# Altium PCB S6D01D4NucleoExtensionBoard.PcbDoc
Units mm, origin at the board's own origin, x right, y up, seen from the top; angles counter-clockwise.
Board outline 100 x 100 mm, 2 copper layers (Top Layer, Bottom Layer), stack 1.671 mm thick; 93 components, 88 nets, 440 pads, 61 vias.
Unrouted connection lines stored in the file: 78.
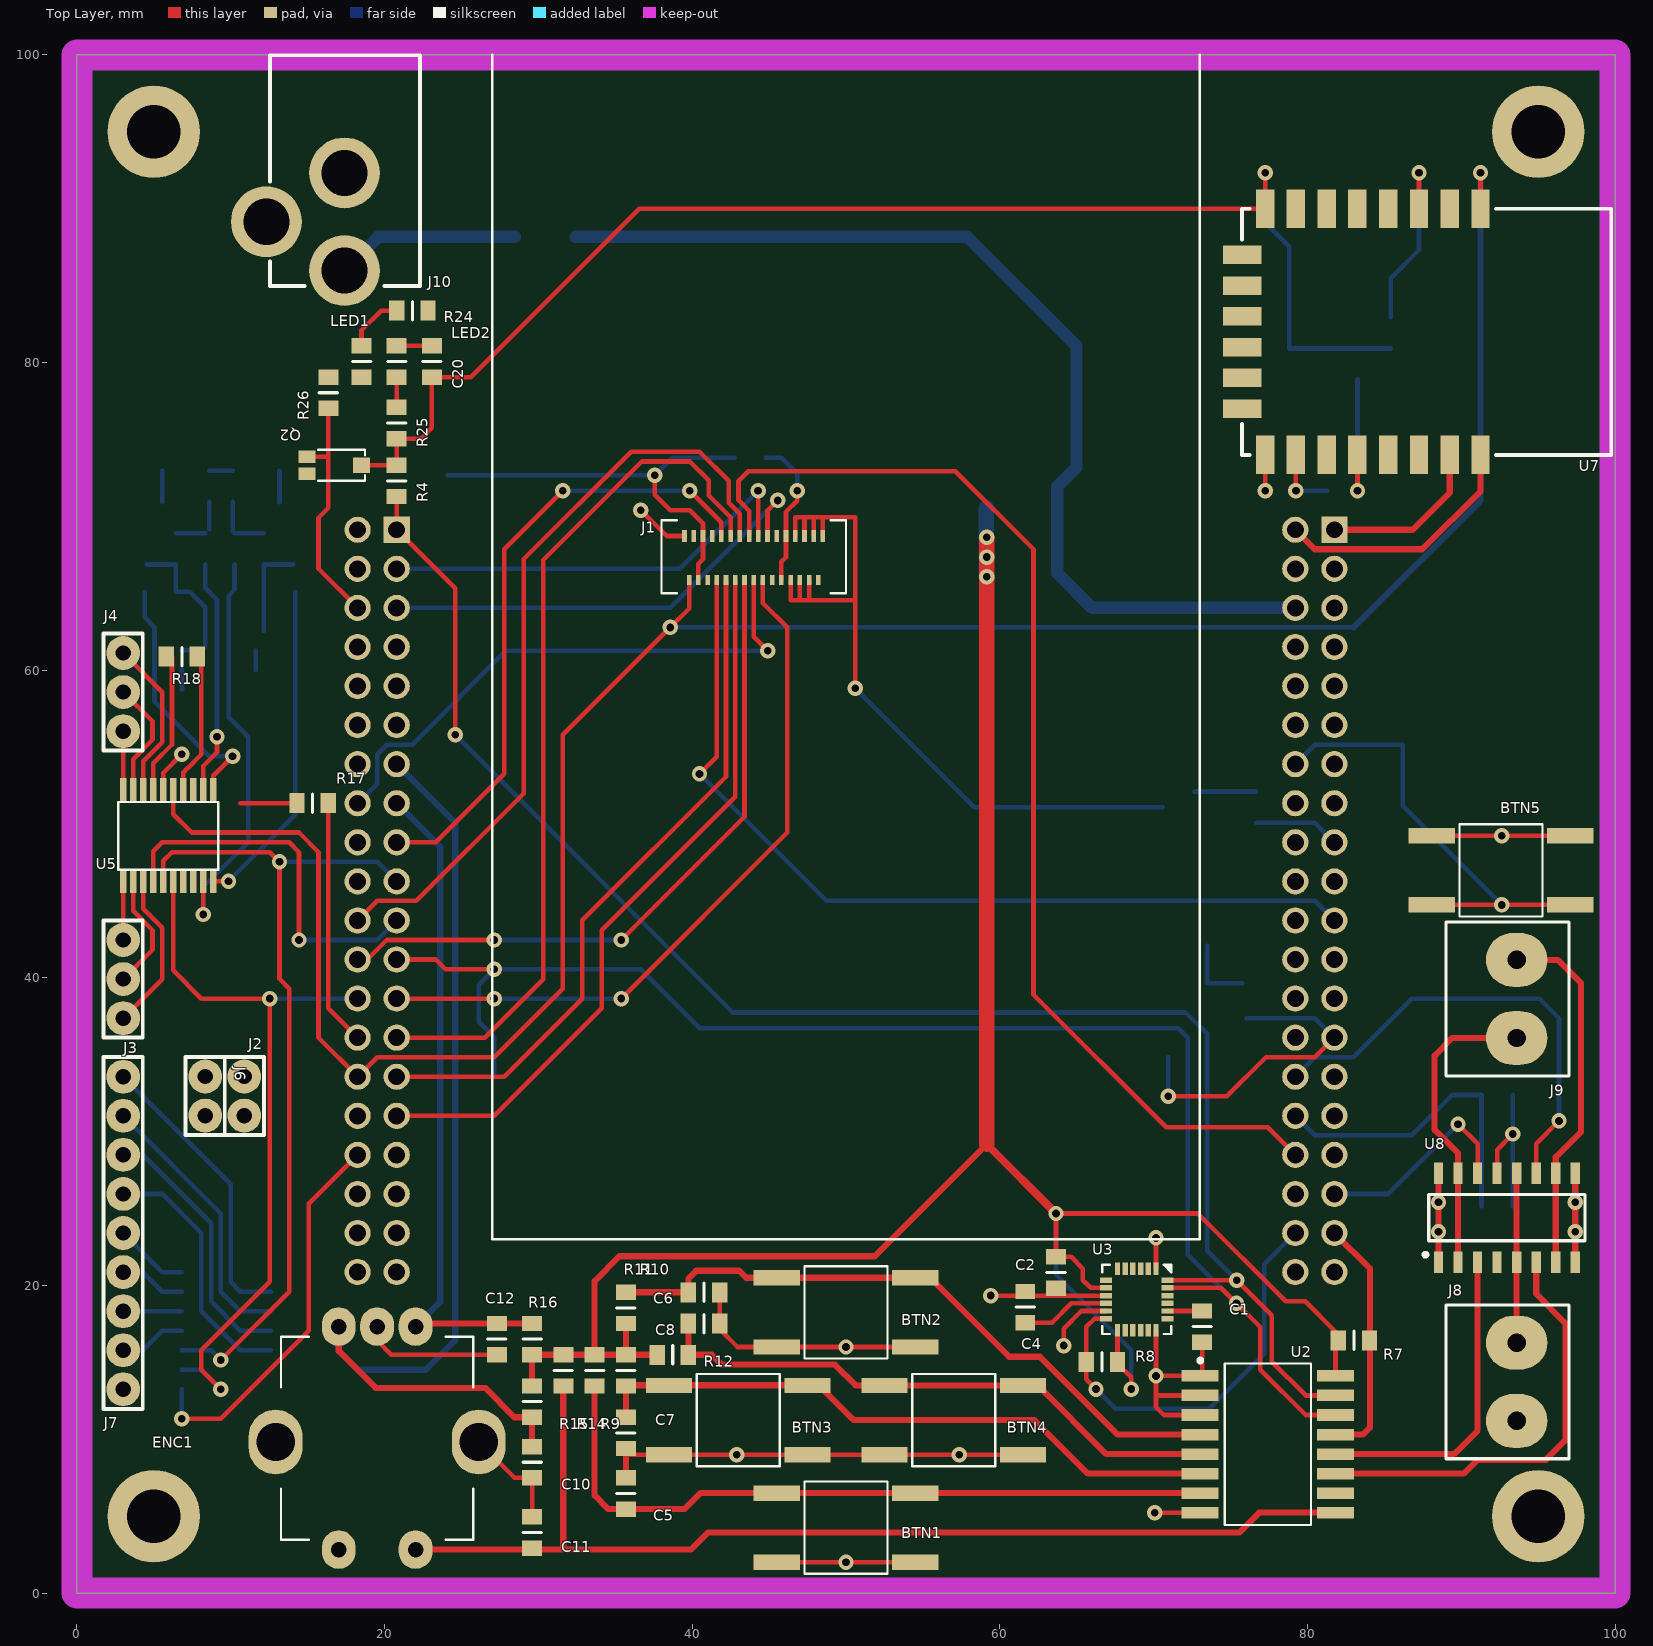
[diagram p0: Top Layer view]
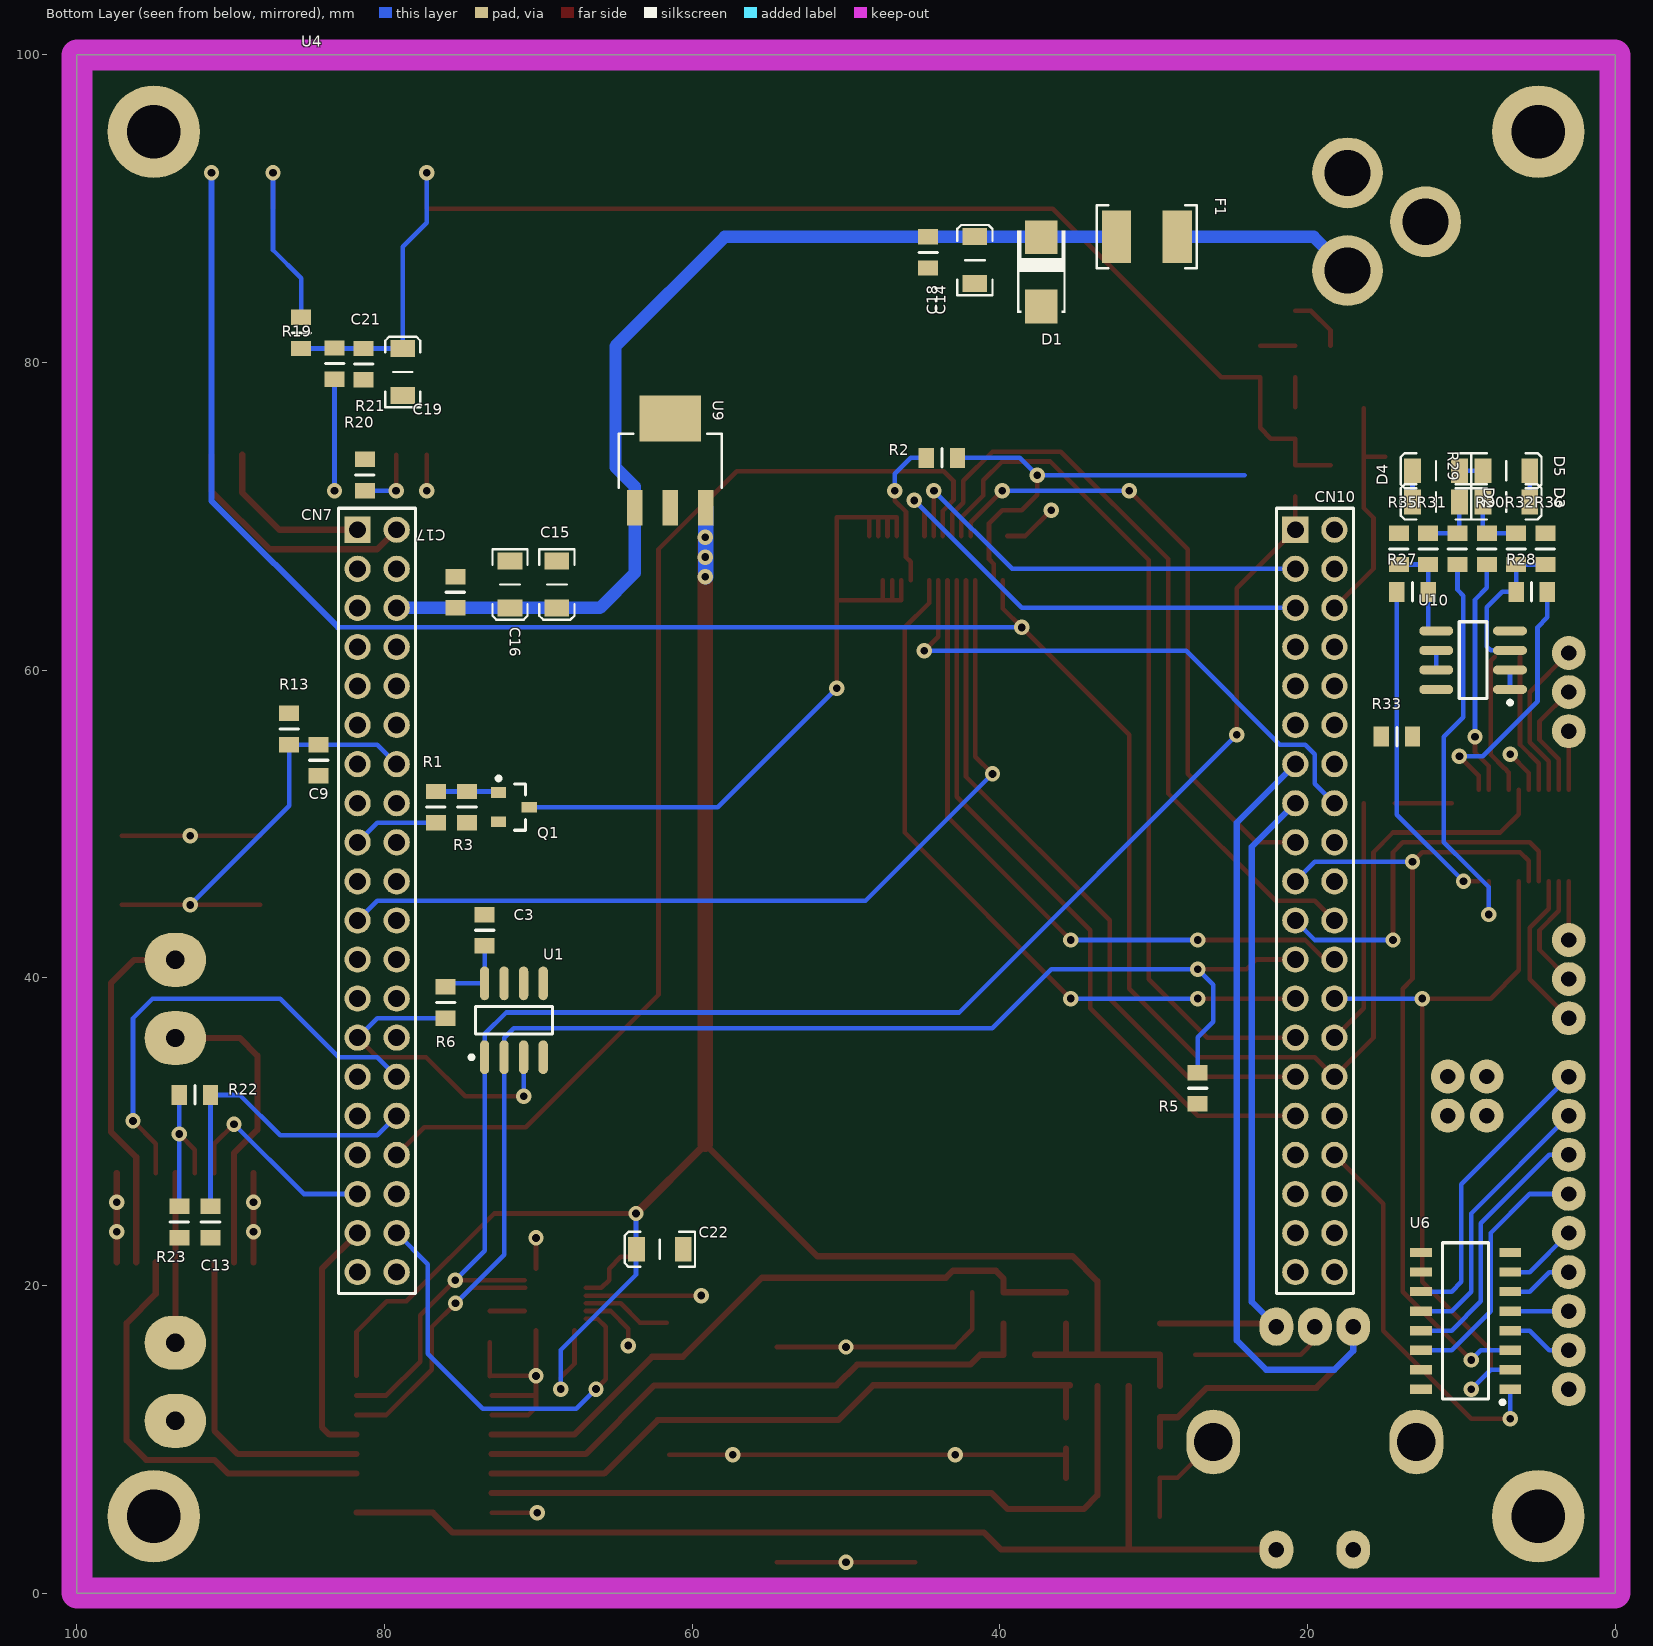
[diagram p1: Bottom Layer view, seen from below]

## Layer stack, top to bottom
Top Solder: solder mask 0.0102, Solder Resist, Dk 3.5
Top Layer: signal copper 0.0356
Dielectric 1: dielectric 1.6, FR-4, Dk 4.8
Bottom Layer: signal copper 0.0356
Bottom Solder: solder mask 0.0102, Solder Resist, Dk 3.5

## Board outline
0,0 0,100 100,100 100,0

## Design rules (kind name [scope] priority, off if disabled: settings)
Clearance [All] p1: gap=0.254
HoleSize [All] p1: absolutevalues=TRUE maxlimit=4 minlimit=0.025 maxpercent=80.000 minpercent=20.000
PolygonConnect [All] p1: connectstyle=Relief reliefconductorwidth=0.254 reliefentries=4 polygonreliefangle="90 Angle" airgapwidth=0.254
RoutingVias [All] p1: holewidth=0.711 width=1.27 viastyle="Through Hole" minholewidth=0.711 minwidth=1.27 maxholewidth=0.711 maxwidth=1.27
SolderMaskExpansion [All] p1: expansion=0.102
Width [All] p1: maxlimit=10 minlimit=0.254 preferedwidth=0.4 minimp=50.000000 maximp=50.000000 favimp=50.000000
29 further rules are at their usual default settings.

## Classes and differential pairs
component class Display: J1 Q1 R1 R2 R3
component class H-Bridge: C13 J8 J9 R22 R23 U8
component class I2Cbus: C1 C2 C3 C4 R4 R5 R6 R7 R8 U1 U2 U3
component class Inputs: BTN1 BTN2 BTN3 BTN4 BTN5 C5 C6 C7 C8 C9 C10 C11 C12 ENC1 R9 R10 R11 R12 R13 R14 R15 R16
component class Nucleo: U4
component class PowerSupply: C14 C15 C16 C17 C18 C19 C20 C21 C22 D1 F1 J10 LED1 LED2 R24 R25 U9
component class SPIbus: D2 D3 D4 D5 J2 J3 J4 J6 J7 R17 R18 R27 R28 R29 R30 R31 R32 R33 R34 R35 R36 U5 U6
component class Wireless: R19 R20 R21 U7
component class LightSensor: Q2 R26

## Components (designator, comment, footprint, x,y, rotation, side; value= is the part's Value field where it differs from the comment)
BTN1 "*" PBUTTON_SMD 50,4.25 r0 top locked
BTN2 "*" PBUTTON_SMD 50,18.25 r0 top locked
BTN3 "*" PBUTTON_SMD 43,11.25 r0 top locked
BTN4 "*" PBUTTON_SMD 57,11.25 r0 top locked
BTN5 "*" PBUTTON_SMD 92.583,46.99 r180 top
C1 "2n2" "CAP 0805" 73.153,17.326 r270 top
C2 "100n" "CAP 0805" 63.653,20.842 r270 top
C3 "10n" "CAP 0805" 73.495,43.095 r90 bottom
C4 "100n" "CAP 0805" 61.653,18.592 r90 top
C5 "100n" "CAP 0805" 35.687,6.477 r270 top
C6 "100n" "CAP 0805" 40.767,19.558 r180 top
C7 "100n" "CAP 0805" 35.687,10.414 r90 top
C8 "100n" "CAP 0805" 40.767,17.526 r180 top
C9 "100n" "CAP 0805" 84.29,54.144 r90 bottom
C10 "100n" "CAP 0805" 29.591,8.509 r90 top
C11 "100n" "CAP 0805" 29.591,3.937 r270 top
C12 "100n" "CAP 0805" 27.305,16.51 r270 top
C13 "10n" "CAP 0805" 91.313,24.13 r90 bottom
C14 "100u" "CAP 1210" 41.618,85.132 r90 bottom
C15 "100u" "CAP 1210" 68.796,67.098 r270 bottom
C16 "10u" "CAP 1210" 71.844,67.098 r270 bottom
C17 "100n" "CAP 0805" 75.4,65.066 r270 bottom
C18 "100n" "CAP 0805" 44.666,87.164 r90 bottom
C19 "10u" "CAP 1210" 78.816,77.864 r90 bottom
C20 "100n" "CAP 0805" 23.076,80.066 r270 top
C21 "100n" "CAP 0805" 81.356,79.896 r90 bottom
C22 "10u" "CAP 1210" 60.579,22.352 r0 bottom
D1 "6.7V" DO-214AC 37.3,85.894 r90 bottom
D2 "" "CAP 1210" 10.122,70.936 r0 bottom
D3 "" "CAP 1210" 8.598,70.936 r180 bottom
D4 "" "CAP 1210" 10.122,72.968 r0 bottom
D5 "" "CAP 1210" 8.598,72.968 r180 bottom
ENC1 "Encoder" PEC11 19.52,10.075 r180 top locked
F1 "500mA" FUSE1812 30.442,88.18 r0 bottom
J1 "FH26W-31S-0.3SHW(99)" FH26W-31S-0.3SHW(99) 44,67.25 r180 top locked
J2 "*" SIL2 10.884,31.044 r90 top
J3 "*" SIL3 3.01,42.46 r270 top
J4 "*" SIL3 3.01,56.038 r90 top
J6 "*" SIL2 8.344,31.044 r90 top
J7 "*" SIL9 3.01,33.57 r270 top
J8 "*" PTR_AKZ350 93.599,16.277 r270 top
J9 "*" PTR_AKZ350 93.599,41.169 r270 top
J10 "DC IN 7-12V" "DC POWER CONNECTOR" 17.399,85.979 r0 top locked
LED1 "GREEN" "LED 0805G" 18.504,80.066 r270 top
LED2 "GREEN" "LED 0805G" 20.79,80.066 r90 top
Q1 "PMBF170" SOT23 71.59,51.096 r270 bottom
Q2 "*" TEMT600 18.504,73.321 r180 top
R1 "470R" "RES 0805" 76.67,51.096 r90 bottom
R2 "10R" "RES 0805" 43.764,73.8 r0 bottom
R3 "4k7" "RES 0805" 74.638,51.096 r90 bottom
R4 "10k" "RES 0805" 20.79,72.305 r90 top
R5 "10k" "RES 0805" 27.14,32.822 r270 bottom
R6 "10k" "RES 0805" 76.035,38.396 r90 bottom
R7 "10k" "RES 0805" 83.02,16.425 r180 top
R8 "10k" "RES 0805" 66.637,15.028 r0 top
R9 "10k" "RES 0805" 33.655,14.478 r90 top
R10 "10k" "RES 0805" 35.687,18.542 r270 top
R11 "10k" "RES 0805" 35.687,14.478 r90 top
R12 "10k" "RES 0805" 38.735,15.494 r180 top
R13 "10k" "RES 0805" 86.195,56.176 r90 bottom
R14 "10k" "RES 0805" 31.623,14.478 r90 top
R15 "10k" "RES 0805" 29.591,12.446 r90 top
R16 "10k" "RES 0805" 29.591,16.51 r270 top
R17 "10k" "RES 0805" 15.329,51.35 r0 top
R18 "10k" "RES 0805" 6.82,60.875 r180 top
R19 "10k" "RES 0805" 85.42,81.928 r90 bottom
R20 "10k" "RES 0805" 83.25,79.925 r90 bottom
R21 "10k" "RES 0805" 81.282,72.686 r90 bottom
R22 "10k" "RES 0805" 92.329,32.385 r180 bottom
R23 "*" "RES 0805" 93.345,24.13 r270 bottom
R24 "470R" "RES 0805" 21.806,83.368 r0 top
R25 "330R" "RES 0805" 20.79,76.066 r270 top
R26 "10k" "RES 0805" 16.345,78.034 r90 top
R27 "18k" "RES 0805" 13.17,65.094 r180 bottom
R28 "18k" "RES 0805" 5.423,65.094 r0 bottom
R29 "1k" "RES 0805" 10.249,67.888 r270 bottom
R30 "1k" "RES 0805" 8.344,67.888 r270 bottom
R31 "21k" "RES 0805" 12.154,67.888 r90 bottom
R32 "21k" "RES 0805" 6.439,67.888 r90 bottom
R33 "10k" "RES 0805" 14.186,55.682 r0 bottom
R34 "10k" "RES 0805" -7.404,68.128 r0 bottom
R35 "10k" "RES 0805" 14.059,67.888 r90 bottom
R36 "10k" "RES 0805" 4.534,67.888 r90 bottom
U1 "*" SO8 73.495,34.84 r90 bottom
U2 "*" SO16W 77.425,9.675 r0 top
U3 "*" QFN24 68.903,19.092 r270 top
U4 "NUCLEO-F446RE" STM32F4xx_Nucleo 50,45 r180 bottom locked
U5 "MCP43X1" TSSOP20 3.01,46.27 r90 top
U6 "*" SO16N 9.72,17.695 r0 bottom
U7 "ESP8266-12E" ESP8266-12E 91.25,90 r270 top locked
U8 "*" SO16N 92.964,24.405 r90 top
U9 "LM2937-3V3" SOT223 61.43,73.462 r180 bottom
U10 "TL082" SO8 6.833,58.744 r0 bottom

## Footprints (in the part's own frame and the unit in brackets; to place one, negate y for a bottom-side part, rotate by r counter-clockwise, add the part's x,y. Pads: shape width x height; smd on the part's side, far side on the other; paste and mask are expansions set on the pad)
"CAP 0805" [mm] "0805 CAPACITOR"
  rect 1x1.3 smd: 1(-1.016,0) 2(1.016,0)
  silkscreen extent 0,-0.6 0,0.6, body extent -1,-0.63 1,0.62, height 0.6
"CAP 1210" [mm] "POLARIZED CAPACITOR"
  rect 1.1x1.6 smd: 1(3.048,0) 2(0,0)
  silkscreen extent -0.76,-1.14 3.81,1.14, body extent -0.17,-0.8 3.22,0.8, height 1.65
"DC POWER CONNECTOR" [mm] "DC POWER CONNECTOR 5.5/2.1/9.5mm"
  round 4.6 hole 3: 1(0,0) 2(0,6.35) 3(-5.08,3.175)
  silkscreen extent -4.84,-1 4.9,14, body extent -4.84,-0.78 4.64,13.7, height 11.18
DO-214AC [mm] "SMA DO-214AC"
  rect 2.2x2.1 smd: 1(-2.25,0) 2(2.25,0)
  silkscreen extent -2.67,-1.58 2.67,1.58, body extent -2.6,-1.3 2.6,1.3, height 2.42
ESP8266-12E [mm] "Wifi module"
  rect 2.5x1.2 smd: 1(0,0) 2(0,-2) 3(0,-4) 4(0,-6) 5(0,-8) 6(0,-10) 7(0,-12) 8(0,-14) 15(16,-14) 16(16,-12) 17(16,-10) 18(16,-8) 19(16,-6) 20(16,-4) 21(16,-2) 22(16,0)
  rect 1.2x2.5 smd: 9(3,-15.5) 10(5,-15.5) 11(7,-15.5) 12(9,-15.5) 13(11,-15.5) 14(13,-15.5)
  silkscreen extent 0,-15.5 16,8.5, body extent 0,-15.5 16.01,8.5, height 2.65
FH26W-31S-0.3SHW(99) [mm] "0.3mm pitch size, 31pin, FPC connector, SMD"
  rect 0.3x0.8 smd: 1(-4.5,-1.475) 3(-3.9,-1.475) 5(-3.3,-1.475) 7(-2.7,-1.475) 9(-2.1,-1.475) 11(-1.5,-1.475) 13(-0.9,-1.475) 15(-0.3,-1.475) 17(0.3,-1.475) 19(0.9,-1.475) 21(1.5,-1.475) 23(2.1,-1.475) 25(2.7,-1.475) 27(3.3,-1.475) 29(3.9,-1.475) 31(4.5,-1.475)
  rect 0.3x0.65 smd: 2(-4.2,1.4) 4(-3.6,1.4) 6(-3,1.4) 8(-2.4,1.4) 10(-1.8,1.4) 12(-1.2,1.4) 14(-0.6,1.4) 16(0,1.4) 18(0.6,1.4) 20(1.2,1.4) 22(1.8,1.4) 24(2.4,1.4) 26(3,1.4) 28(3.6,1.4) 30(4.2,1.4)
  silkscreen extent -6,-2.5 6,2.25, body extent -5.4,-1.9 5.4,1.6, height 1
FUSE1812 [mil] "Multifuse"
  rect 75x135 smd: 1(-77.5,0) 2(77.5,0)
  silkscreen extent -128,-81 128,81, body extent -93,-67 93,67, height 53
"LED 0805G" [mm] "0805 GREEN LED"
  rect 1x1.3 smd: 1(-1.016,0) 2(1.016,0)
  silkscreen extent 0,-0.6 0,0.6, body extent -1.01,-0.62 1.01,0.63, height 1.1
PBUTTON_SMD [mm]
  rect 3x1 smd: 1(-4.5,-2.25) 2(4.5,-2.25) 3(4.5,2.25) 4(-4.5,2.25)
  silkscreen extent -2.7,-3 2.7,3, body extent -5,-3 5,3, height 4.95
PEC11 [mm]
  oval 2.2x2.5 hole 1: 1(-2.5,-7.25) 2(0,-7.25) 3(2.5,-7.25) 4(2.5,7.25) 5(-2.5,7.25)
  oval 3.5x4.2 hole 2.5: 6(-6.6,0.25) 7(6.6,0.25)
  silkscreen extent -6.25,-6.6 6.25,6.6, body extent -7.31,-7.35 7.31,7.35, height 19.5
PTR_AKZ350 [mm] "2 PIN TERMINAL BLOCK"
  oval 3.5x4 hole 1.2: 1(0,0) 2(5.08,0)
  silkscreen extent -2.46,-4.6 7.54,3.4, body extent -2.46,-4.6 7.54,3.4, height 10.1
QFN24 [mm] "24-Lead Plastic QFN (4mm × 4mm)"
  rect 0.8x0.35 smd mask+0.07: 1(-2,1.25) 2(-2,0.75) 3(-2,0.25) 4(-2,-0.25) 5(-2,-0.75) 6(-2,-1.25) 13(2,-1.25) 14(2,-0.75) 15(2,-0.25) 16(2,0.25) 17(2,0.75) 18(2,1.25)
  rect 0.35x0.8 smd mask+0.07: 7(-1.25,-2) 8(-0.75,-2) 9(-0.25,-2) 10(0.25,-2) 11(0.75,-2) 12(1.25,-2) 19(1.25,2) 20(0.75,2) 21(0.25,2) 22(-0.25,2) 23(-0.75,2) 24(-1.25,2)
  silkscreen extent -2.25,-2.25 2.25,2.25, body extent -2,-2 2,2, height 1
"RES 0805" [mm] "0805 Resistor"
  rect 1x1.3 smd: 1(-1.016,0) 2(1.016,0)
  silkscreen extent 0,-0.6 0,0.6, body extent -1,-0.63 1,0.62, height 0.6
SIL2 [mm] "2 PIN SINGLE IN LINE CONNECTOR"
  round 2.2 hole 1: 1(0,0) 2(2.54,0)
  silkscreen extent -1.27,-1.27 3.81,1.27, body extent -1.17,-1.25 3.91,1.25, height 8.3
SIL3 [mm] "3 PIN SINGLE IN LINE CONNECTOR"
  round 2.2 hole 1: 1(0,0) 2(2.54,0) 3(5.08,0)
  silkscreen extent -1.27,-1.27 6.35,1.27, body extent -1.17,-1.25 6.45,1.25, height 8.3
SIL9 [mm] "9 PIN SINGLE IN LINE CONNECTOR"
  round 2.2 hole 1: 1(0,0) 2(2.54,0) 3(5.08,0) 4(7.62,0) 5(10.16,0) 6(12.7,0) 7(15.24,0) 8(17.78,0) 9(20.32,0)
  silkscreen extent -1.27,-1.27 21.59,1.27, body extent -1.17,-1.25 21.69,1.25, height 8.3
SO8 [mm] "SOIC, 8-Leads, Body 4.9x3.9mm, Pitch 1.27mm, IPC Medium Density"
  oval 2.2x0.6 smd: 1(0,0) 2(0,-1.27) 3(0,-2.54) 4(0,-3.81) 5(4.8,-3.81) 6(4.8,-2.54) 7(4.8,-1.27) 8(4.8,0)
  silkscreen extent -0.12,-4.41 3.3,0.98, body extent -0.6,-4.35 5.4,0.55, height 1.7
SO16N [mm]
  rect 1.4x0.6 smd: 1(-2.9,4.445) 2(-2.9,3.175) 3(-2.9,1.905) 4(-2.9,0.635) 5(-2.9,-0.635) 6(-2.9,-1.905) 7(-2.9,-3.175) 8(-2.9,-4.445) 9(2.9,-4.445) 10(2.9,-3.175) 11(2.9,-1.905) 12(2.9,-0.635) 13(2.9,0.635) 14(2.9,1.905) 15(2.9,3.175) 16(2.9,4.445)
  silkscreen extent -2.52,-5.08 1.5,5.42, body extent -3.07,-4.98 3.07,4.99, height 1.75
SO16W [mm]
  rect 2.4x0.75 smd: 1(-4.4,4.445) 2(-4.4,3.175) 3(-4.4,1.905) 4(-4.4,0.635) 5(-4.4,-0.635) 6(-4.4,-1.905) 7(-4.4,-3.175) 8(-4.4,-4.445) 9(4.4,-4.445) 10(4.4,-3.175) 11(4.4,-1.905) 12(4.4,-0.635) 13(4.4,0.635) 14(4.4,1.905) 15(4.4,3.175) 16(4.4,4.445)
  silkscreen extent -4.52,-5.25 2.8,5.57, body extent -5.15,-5.1 5.15,5.1, height 3.5
SOT23 [mm]
  rect 0.7x1 smd: 1(-0.95,-1) 2(0.95,-1) 3(0,1)
  silkscreen extent -1.99,-1.13 1.5,0.75, body extent -1.5,-1.25 1.5,1.25, height 1.09
SOT223 [mm]
  rect 1x2.3 smd: 1(-2.3,-2.9) 2(0,-2.9) 3(2.3,-2.9)
  rect 4x3 smd: 2(0,2.9)
  silkscreen extent -3.35,-1.6 3.35,1.9, body extent -3.25,-3.4 3.25,3.6, height 1.64
STM32F4xx_Nucleo [mm] "STM32F4xx Nucleo board"
  round 1.7 hole 1.1: 0(-31.75,-24.13) 0(-29.21,-24.13) 0(29.21,-24.13) 0(31.75,-24.13) 2(-29.21,24.13) 3(-31.75,21.59) 4(-29.21,21.59) 5(-31.75,19.05) 6(-29.21,19.05) 7(-31.75,16.51) 8(-29.21,16.51) 9(-31.75,13.97) 10(-29.21,13.97) 11(-31.75,11.43) 12(-29.21,11.43) 13(-31.75,8.89) 14(-29.21,8.89) 15(-31.75,6.35) 16(-29.21,6.35) 17(-31.75,3.81) 18(-29.21,3.81) 19(-31.75,1.27) 20(-29.21,1.27) 21(-31.75,-1.27) 22(-29.21,-1.27) 23(-31.75,-3.81) 24(-29.21,-3.81) 25(-31.75,-6.35) 26(-29.21,-6.35) 27(-31.75,-8.89) 28(-29.21,-8.89) 29(-31.75,-11.43) 30(-29.21,-11.43) 31(-31.75,-13.97) 32(-29.21,-13.97) 33(-31.75,-16.51) 34(-29.21,-16.51) 35(-31.75,-19.05) 36(-29.21,-19.05) 37(-31.75,-21.59) 38(-29.21,-21.59) 40(31.75,24.13) 41(29.21,21.59) 42(31.75,21.59) 43(29.21,19.05) 44(31.75,19.05) 45(29.21,16.51) 46(31.75,16.51) 47(29.21,13.97) 48(31.75,13.97) 49(29.21,11.43) 50(31.75,11.43) 51(29.21,8.89) 52(31.75,8.89) 53(29.21,6.35) 54(31.75,6.35) 55(29.21,3.81) 56(31.75,3.81) 57(29.21,1.27) 58(31.75,1.27) 59(29.21,-1.27) 60(31.75,-1.27) 61(29.21,-3.81) 62(31.75,-3.81) 63(29.21,-6.35) 64(31.75,-6.35) 65(29.21,-8.89) 66(31.75,-8.89) 67(29.21,-11.43) 68(31.75,-11.43) 69(29.21,-13.97) 70(31.75,-13.97) 71(29.21,-16.51) 72(31.75,-16.51) 73(29.21,-19.05) 74(31.75,-19.05) 75(29.21,-21.59) 76(31.75,-21.59)
  rect 1.7x1.7 hole 1.1: 1(-31.75,24.13) 39(29.21,24.13)
  silkscreen extent -32.98,-25.52 32.98,25.53, body extent -32.98,-25.52 32.98,25.53, height 8.5
TEMT600 [mm] "Ambient Light Sensor"
  rect 1.1x1 smd: 1(0,0)
  rect 1.1x0.8 smd: 2(3.55,-0.55) ""(3.55,0.55)
  silkscreen extent -0.23,-1 2.83,1, body extent -0.22,-1 3.77,1, height 1.01
TSSOP20 [mm]
  rect 1.5x0.4 smd: 1(0,0) 2(0,-0.65) 3(0,-1.3) 4(0,-1.95) 5(0,-2.6) 6(0,-3.25) 7(0,-3.9) 8(0,-4.55) 9(0,-5.2) 10(0,-5.85) 11(5.958,-5.85) 12(5.958,-5.2) 13(5.958,-4.55) 14(5.958,-3.9) 15(5.958,-3.25) 16(5.958,-2.6) 17(5.958,-1.95) 18(5.958,-1.3) 19(5.958,-0.65) 20(5.958,0)
  silkscreen extent 0.75,-6.17 5.15,0.33, body extent -0.18,-6.27 6.1,0.23, height 1.09

## Part data
BTN1 BTN2 BTN3 BTN4 BTN5: library part PUSHBUTTON, "Tactile push button"
C1 C2 C3 C4 C5 C6 C7 C8 C9 C10 C11 C12 C13 C17 C18 C20 C21: library part CAP, "NON POLARIZED CAPACITOR"
C14 C15 C16 C19 C22: library part CAP_POL, "POLARIZED CAPACITOR"
D1: library part "SUPRESSOR DIODE", "SUPRESSOR DIODE"
D2 D3 D4 D5: library part ZENER, "Zener Diode"
ENC1: library part PEC11, "Mechanical rotary encoder with pushbutton"
F1: library part FUSE, "FUSE"
J1: "Hirose FH26 0.3mm Pitch 31 Way Right Angle SMT Female FPC Connector, ZIF Bottom Contact"
J2 J6 J8 J9: library part HEADER2, "2 PIN HEADER"
J3 J4: library part HEADER3, "3 PIN HEADER"
J7: library part HEADER9, "9 PIN HEADER"
J10: library part "DC POWER CONN", "DC POWER CONNECTOR 5.5/2.1/9.5mm"
LED1 LED2: library part LED, "LED"
Q1: "N-Channel MOSFET"
Q2: library part TEMT6000, "Light sensor"
R1 R2 R3 R4 R5 R6 R7 R8 R9 R10 R11 R12 R13 R14 R15 R16 R17 R18 R19 R20 R21 R22 R23 R24 R25 R26 R27 R28 R29 R30 R31 R32 R33 R34 R35 R36: library part RES, "RESISTOR"
U1: library part LM75, "Temperature sensor with I2C interface"
U2: library part PCF8574, "I/O expander I2C bus"
U3: library part MPU6050, "6 axis gyroscope and accelerometer sensor"
U4: "STM32F4xx Nucleo board"
U5: "SPI INTERFACE QUAD DIGITAL POTENTIOMETERS"
U6: library part 4094, "8 BIT SHIFT REGISTER"
U7: "WiFi module"
U8: library part VNH7100BAS, "Automotive fully integrated H-bridge motor driver"
U9: library part LM2937, "SOT223"
U10: "OPAMP, SO8"

## Free pads (board coordinates)
  round 6 hole 3.5: ""(5,95) ""(5,5) ""(95,5) ""(95,95)

## Via types
v1: diameter 1, hole 0.5, Top Layer to Bottom Layer, 61 vias

## Nets (pads, with @x,y where several pads share a name; then routed paths per layer and width w, separated by ;. In a path a pad name is that pad's centre, name@x,y a point inside that pad or via, vN(x,y) a via of type N, cw(c..) or ccw(c..) an arc to the next point about the centre after c; other vN are vias at no path point)
+3.3V: C2.1 C3.1 C19.1 C20.2 C21.2 C22.1 J1.27 J1.28 Q2.1 R2.1 R4.2 R5.2 R6.2 R7.2 R8.2 R9.2 R10.2 R11.2 R12.2 R13.2 R14.2 R15.2 R16.2 R18.2 R19.1 R20.2 R25.2 R35.2 R36.2 U1.8 U2.16 U3.8 U3.13 U5.17 U6.15 U6.16 U7.8 U9.3 | length 277.2
  Top Layer w0.3: U5.17 4.96,53.943 6.185,55.168 R18.2@6.185,60.875 ; Q2.1 R4.2 R25.2 22.378,75.05 23.076,75.748 C20.2 25.616,79.05 36.566,90 U7.8 v1(77.25,92.33) ; v1(37.575,72.665) 37.575,71.395 38.57,70.4 39.84,70.4 40.7,69.54 J1.27 40.7,67.2 40.4,66.9 J1.28 ; U3.8 65.903,19.842 65.403,20.342 65.403,21.092 64.637,21.858 C2.1 v1(63.653,24.68) 72.86,24.68 78.575,18.965 79.845,18.965 81.825,16.985 U2.16 ; U3.13 R8.2 67.653,14.915 68.542,14.026 v1(68.542,13.264)
  Top Layer w0.4: R15.2 R16.2 R14.2 R9.2 ; R10.2 R11.2 ; R12.2 R11.2 ; 59.144,29.189 51.855,21.9 35.268,21.9 33.655,20.287 R9.2 ; R9.2 R11.2
  Top Layer w0.5: 59.144,29.189 v1(63.653,24.68)
  Top Layer w1: 59.144,29.189 v1(59.144,68.636)
  Bottom Layer w0.3: 24.092,72.665 v1(37.575,72.665) 38.71,73.8 R2.1 ; v1(63.653,24.68) 63.653,20.693 68.542,15.804 v1(68.542,13.264) ; C3.1 U1.8 R6.2@75.755,39.64 ; v1(77.25,92.33) 77.25,89.1 78.816,87.534 C19.1 R19.1
  Bottom Layer w1: v1@59.13,66.082 U9.3
  other v1: 59.144,66.082 59.144,67.352
+5V: C14.1 C15.1 C16.1 C17.2 C18.2 D1.2 F1.2 R24.2 U4.6 U9.1 U10.8 | length 67.2
  Bottom Layer w0.8: F1.2 57.874,88.18 64.986,81.068 64.986,73.194 63.73,71.938 U9.1 63.73,66.322 66.002,64.05 U4.6
AD1: R33.2
AD2: R34.2
BL: R1.1 U4.17 | length 5.6
  Bottom Layer w0.3: R1.1 80.48,50.08 U4.17
CD: J1.16 U4.54 | length 36.9
  Top Layer w0.3: J1.16 44,62.176 v1(44.92,61.256)
  Bottom Layer w0.3: U4.54 19.52,52.62 19.52,54.525 20.155,55.16 21.792,55.16 27.888,61.256 v1(44.92,61.256)
CS: J1.13 U4.43 | length 30.2
  Top Layer w0.3: J1.13 44.9,70.38 v1(45.555,71.035)
  Bottom Layer w0.3: U4.43 38.57,64.05 v1(45.555,71.035)
DB0: J1.17 U4.34 | length 75.7
  Top Layer w0.3: J1.17 43.7,70.35 43.015,71.035 43.015,72.305 43.65,72.94 57.112,72.94 62.192,67.86 62.192,38.904 70.814,30.282 77.418,30.282 U4.34
DB1: J1.18 U4.62 | length 44.4
  Top Layer w0.3: U4.62 18.885,41.19 20.155,42.46 v1(27.14,42.46) ; v1(35.395,42.46) 43.4,50.465 J1.18
  Bottom Layer w0.3: v1(27.14,42.46) v1(35.395,42.46)
DB2: J1.19 U4.60 | length 50.3
  Top Layer w0.3: U4.60 19.52,45 22.06,45 29.045,51.985 29.045,67.225 36.03,74.21 40.475,74.21 42.38,72.305 42.38,70.887 43.1,70.166 J1.19
DB3: J1.20 U4.69 | length 47.7
  Top Layer w0.3: U4.69 27.14,31.03 34.125,38.015 34.125,43.095 42.8,51.77 J1.20
DB4: J1.21 U4.65 | length 56.5
  Top Layer w0.3: U4.65 26.505,36.11 30.315,39.92 30.315,67.16 36.724,73.569 39.846,73.569 41.07,72.345 41.07,71.355 42.5,69.925 J1.21
DB5: J1.22 U4.67 | length 45.2
  Top Layer w0.3: U4.67 27.775,33.57 32.855,38.65 32.855,43.73 42.2,53.075 J1.22
DB6: J1.23 U4.55 | length 40.9
  Top Layer w0.3: U4.55 23.33,48.81 27.775,53.255 27.775,67.86 v1(31.585,71.67) ; v1@39.848,71.678 41.9,69.625 J1.23
  Bottom Layer w0.3: v1(31.585,71.67) v1(39.84,71.67)
DB7: J1.24 U4.21 | length 58.3
  Top Layer w0.3: v1(40.475,53.255) 41.6,54.38 J1.24
  Bottom Layer w0.3: v1(40.475,53.255) 48.73,45 72.663,45 72.678,45.015 74.312,45.015 74.327,45 74.568,45 74.583,45.015 76.217,45.015 76.232,45 80.48,45 U4.21
DOWN: BTN1.3 BTN1.4 C5.2 R9.1 U2.7 | length 47.3
  Top Layer w0.4: R9.1 33.655,6.35 34.544,5.461 39.497,5.461 40.536,6.5 BTN1.4 U2.7
ENC_A: C12.1 ENC1.1 R16.1 U4.53 | length 43.5
  Top Layer w0.4: ENC1.1@21.971,17.526 R16.1
  Bottom Layer w0.4: U4.53 23.622,48.518 23.622,18.927 ENC1.1
ENC_B: C10.2 ENC1.3 R15.1 U4.51 | length 67.3
  Top Layer w0.4: ENC1.3 17.02,15.746 19.431,13.335 26.543,13.335 28.448,11.43 R15.1 C10.2
  Bottom Layer w0.4: ENC1.3 17.02,15.75 18.25,14.52 22.695,14.52 24.6,16.425 24.6,50.08 U4.51
ENC_SW: C11.2 ENC1.5 R14.1 U2.9 | length 71.4
  Top Layer w0.4: ENC1.5 31.623,2.825 ; R14.1 31.623,2.825 ; U2.9 76.858,5.23 75.565,3.937 41.021,3.937 39.909,2.825 31.623,2.825
GND: BTN1.1 BTN1.2 BTN2.1 BTN2.2 BTN3.1 BTN3.2 BTN4.1 BTN4.2 BTN5.1 BTN5.2 C1.2 C2.2 C3.2 C4.2 C5.1 C6.1 C7.1 C8.1 C9.1 C10.1 C11.1 C12.2 C13.1 C14.2 C15.2 C16.2 C17.1 C18.1 C19.2 C20.1 C21.1 C22.2 D1.1 D4.2 D5.2 ENC1.2 ENC1.4 ENC1.6 ENC1.7 J1.31 J2.1 J6.1 J7.9 J8.2 J10.2 J10.3 LED1.2 LED2.2 Q1.2 R3.1 R21.2 R23.2 R26.2 U1.4 U1.5 U1.6 U1.7 U2.1 U2.2 U2.3 U2.8 U3.1 U3.9 U3.11 U3.18 U4.8 U4.19 U4.20 U4.22 U4.47 U4.58 U4.70 U5.7 U5.8 U5.13 U6.8 U7.15 U8.1 U8.8 U8.9 U8.16 U9.2 U10.4 | length 131.5
  Top Layer w0.3: ENC1.2 19.52,16.421 20.447,15.494 C12.2 ; LED2.2 C20.1 ; ENC1.6 28.452,7.493 C10.1 C11.1 ; C7.1@35.687,9 BTN3.2 BTN4.1 BTN4.2 ; v1(36.665,70.4) 38.34,68.725 J1.31 ; C6.1 41.783,17.163 42.946,16 BTN2.2 ; BTN1.1 BTN1.2 ; v1(59.403,19.342) U3.9 ; v1(64.153,16.092) 64.153,17.193 65.302,18.342 U3.11 ; v1(70.066,5.23) U2.8 ; U3.18 v1(70.153,14.12) ; U3.1 v1(70.153,23.092) ; U2.3 70.665,11.58 70.153,12.092 70.153,12.85 ; U2.2 70.153,12.85 ; U2.1 v1(70.153,14.12) ; U2.1@73.153,14.092 C1.2 ; v1(77.25,71.67) U7.15 ; BTN5.2 BTN5.1 ; 70.153,12.85 v1(70.153,14.12)
  Top Layer w0.4: C5.1 C7.1 ; U8.1 U8.16 ; U8.8 U8.9
  Bottom Layer w0.3: D5.2 D4.2
  other v1: 50,2 42.888,9 57.366,9 50,16 88.519,23.495 97.409,23.495 88.519,25.4 97.409,25.4 92.638,49.24
HB_CS: C13.2 R22.2 U4.32 | length 21
  Bottom Layer w0.3: U4.32 80.48,29.76 86.783,29.76 89.408,32.385 R22.2 C13.2
HB_INA: U2.12 U8.3 | length 20.8
  Top Layer w0.4: U2.12 89.537,9.04 91.059,10.562 U8.3
HB_INB: U2.11 U8.6 | length 28.2
  Top Layer w0.4: U2.11 90.172,7.77 91.059,8.657 95.504,8.657 96.774,9.927 96.774,17.547 94.869,19.452 U8.6
HB_PWM: U4.30 U8.11 | length 30.5
  Top Layer w0.3: U8.11 94.869,29.21 v1(96.355,30.696)
  Bottom Layer w0.3: U4.30 80.48,34.84 82.973,34.84 86.783,38.65 95.085,38.65 96.355,37.38 v1(96.355,30.696)
HB_SEL0: U4.35 U8.14 | length 13.6
  Top Layer w0.3: v1(89.789,30.48) 91.059,29.21 U8.14
  Bottom Layer w0.3: U4.35 85.259,25.95 v1(89.789,30.48)
INT_AG: R8.1 U3.12 U4.38 | length 27.4
  Top Layer w0.3: v1(66.256,13.264) 65.621,13.899 65.621,17.31 66.153,17.842 U3.12
  Bottom Layer w0.3: v1(66.256,13.264) 67.526,11.994 73.609,11.994 77.178,15.563 77.178,21.378 U4.38
INT_OS: R6.1 U1.3 U4.27 | length 21.2
  Top Layer w0.3: v1(70.955,32.3) 74.765,32.3 77.305,34.84 80.48,34.84 U4.27
  Bottom Layer w0.3: v1(70.955,32.3) U1.3 ; R6.1 80.48,37.38 U4.27
INT_PE: R7.1 U2.13 U4.37 | length 16
  Top Layer w0.4: U4.37 84.074,21.086 84.074,10.795 83.589,10.31 U2.13
L_SENSOR: Q2.2 R26.1 U4.44 | length 15.7
  Top Layer w0.3: Q2.2 16.345,73.871 ; R26.1 16.345,73.871 ; U4.44 15.71,66.59 15.71,69.906 16.345,70.541 16.345,73.871
LEFT: BTN3.3 BTN3.4 C7.2 R11.1 U2.6 | length 42
  Top Layer w0.4: R11.1@35.433,13.516 48.234,13.516 50.5,11.25 62.25,11.25 65.73,7.77 U2.6 ; C7.2 R11.1
NetC1_1: C1.1 U3.20 | length 2.2
  Top Layer w0.3: U3.20 C1.1
NetC4_1: C4.1 U3.10 | length 5.8
  Top Layer w0.3: C4.1 63.403,17.576 ; 63.403,17.592 64.653,18.842 U3.10
NetD2_1: D2.1 D4.1 | length 2
  Bottom Layer w0.3: D2.1 D4.1
NetD2_2: D2.2 R29.1 R31.2 | length 3.8
  Bottom Layer w0.3: R29.1@10.122,69.031 D2.2 ; R29.1 R31.2
NetD3_1: D3.1 D5.1 | length 2
  Bottom Layer w0.3: D3.1 D5.1
NetD3_2: D3.2 R30.1 R32.2 | length 3.7
  Bottom Layer w0.3: R32.2 R30.1 ; R30.1@8.598,69.158 D3.2
NetF1_1: F1.1 J10.1 | length 12
  Bottom Layer w0.8: J10.1 19.6,88.18 F1.1
NetJ1_1: J1.1 J1.3 J1.4 J1.5 J1.6 J1.7 J1.8 Q1.3 | length 51.2
  Top Layer w0.3: J1.8 46.4,64.54 47,64.54 ; J1.7 46.7,69.94 47.3,69.94 ; J1.6 47,64.54 ; J1.5 47.3,69.94 ; J1.4 47.6,64.54 ; J1.3 47.9,69.94 ; J1.1 48.5,69.94 47.9,69.94 ; 48.5,69.94 50.6,69.94 50.6,64.54 ; v1(50.6,58.825) 50.6,64.54 ; 47,64.54 47.6,64.54 ; 47.3,69.94 47.9,69.94 ; 47.6,64.54 50.6,64.54
  Bottom Layer w0.3: v1(50.6,58.825) 58.329,51.096 Q1.3
NetJ1_9: J1.9 J1.10 R2.2 | length 9.8
  Top Layer w0.3: J1.10 45.8,67.04 46.1,67.34 J1.9 46.1,70.302 46.825,71.027 v1(46.825,71.67)
  Bottom Layer w0.3: R2.2 45.796,73.8 46.825,72.771 v1(46.825,71.67)
NetJ2_2: J2.2 R27.1 U5.10 | length 21.6
  Top Layer w0.3: U5.10 v1(9.854,46.27)
  Bottom Layer w0.3: v1(9.854,46.27) 14.186,50.602 R27.1
NetJ3_1: J3.1 U5.1 | length 3.8
  Top Layer w0.3: J3.1 U5.1
NetJ3_2: J3.2 U5.2 | length 7.7
  Top Layer w0.3: J3.2 4.915,41.825 4.915,43.095 3.66,44.35 U5.2
NetJ3_3: J3.3 U5.3 | length 10.5
  Top Layer w0.3: J3.3 5.55,39.92 5.55,43.243 4.31,44.483 U5.3
NetJ4_1: J4.1 U5.20 | length 3.8
  Top Layer w0.3: U5.20 J4.1
NetJ4_2: J4.2 U5.19 | length 7.7
  Top Layer w0.3: J4.2 4.915,56.673 4.915,55.465 3.66,54.21 U5.19
NetJ4_3: J4.3 U5.18 | length 10.5
  Top Layer w0.3: J4.3 5.55,58.578 5.55,55.317 4.31,54.077 U5.18
NetJ6_2: J6.2 R28.1 U5.11 | length 16.6
  Top Layer w0.3: U5.11 8.86,53.15 v1(10.122,54.412)
  Bottom Layer w0.3: R28.1 4.407,63.429 5.042,62.794 5.042,57.968 8.598,54.412 v1(10.122,54.412)
NetJ7_1: J7.1 U6.11 | length 19.1
  Bottom Layer w0.3: J7.1 9.995,26.585 9.995,20.235 10.63,19.6 U6.11
NetJ7_2: J7.2 U6.12 | length 17.8
  Bottom Layer w0.3: J7.2 9.36,24.68 9.36,19.6 10.63,18.33 U6.12
NetJ7_3: J7.3 U6.13 | length 17.3
  Bottom Layer w0.3: J7.3 4.28,28.49 8.725,24.045 8.725,18.965 10.63,17.06 U6.13
NetJ7_4: J7.4 U6.14 | length 16.8
  Bottom Layer w0.3: J7.4 5.55,25.95 8.09,23.41 8.09,18.33 10.63,15.79 U6.14
NetJ7_5: J7.5 U6.7 | length 4.9
  Bottom Layer w0.3: J7.5 5.55,20.87 U6.7
NetJ7_6: J7.6 U6.6 | length 4.3
  Bottom Layer w0.3: J7.6 4.28,20.87 5.55,19.6 U6.6
NetJ7_7: J7.7 U6.5 | length 3.8
  Bottom Layer w0.3: J7.7 U6.5
NetJ7_8: J7.8 U6.4 | length 4.3
  Bottom Layer w0.3: J7.8 4.28,15.79 5.55,17.06 U6.4
NetJ8_1: J8.1 U8.4 U8.5 U8.12 | length 11
  Top Layer w0.4: J8.1 U8.12
NetJ9_1: J9.1 U8.7 U8.10 | length 23.6
  Top Layer w0.4: J9.1 96.266,41.169 97.79,39.645 97.79,29.993 96.139,28.342 U8.7
NetJ9_2: J9.2 U8.2 U8.15 | length 19.9
  Top Layer w0.4: U8.2 U8.15 89.789,28.596 88.265,30.12 88.265,34.946 89.408,36.089 J9.2
NetLED1_1: LED1.1 R24.1 | length 3.8
  Top Layer w0.3: LED1.1 18.504,82.098 19.774,83.368 R24.1
NetLED2_1: LED2.1 R25.1 | length 2
  Top Layer w0.3: R25.1 LED2.1
NetQ1_1: Q1.1 R1.2 R3.2 | length 4
  Bottom Layer w0.3: Q1.1@72.656,52.112 R3.2 R1.2
NetR17_1: R17.1 U5.16 | length 6.5
  Top Layer w0.3: U5.16 5.61,53.315 v1(6.82,54.525) ; 10.63,51.35 R17.1
NetR18_1: R18.1 U5.14 | length 9.2
  Top Layer w0.3: U5.14 6.91,53.345 7.186,53.621 7.194,53.621 8.09,54.517 8.09,60.621 R18.1
NetR19_2: R19.2 U7.3 | length 12.5
  Top Layer w0.3: U7.3 v1(87.25,92.33)
  Bottom Layer w0.3: R19.2 85.42,85.484 87.25,87.314 v1(87.25,92.33)
NetR20_1: R20.1 U7.18 | length 9.6
  Top Layer w0.3: v1(83.25,71.67) U7.18
  Bottom Layer w0.3: v1(83.25,71.67) R20.1
NetR21_1: R21.1 U7.16 | length 4.4
  Top Layer w0.3: v1(79.25,71.67) U7.16
  Bottom Layer w0.3: v1(79.25,71.67) R21.1
NetR22_1: R22.1 R23.1 U8.13 | length 10.2
  Top Layer w0.3: U8.13 92.329,28.829 v1(93.345,29.845)
  Bottom Layer w0.3: R23.1 v1(93.345,29.845) R22.1
NetR27_2: R27.2 R31.1 R35.1 U10.5 | length 6.2
  Bottom Layer w0.3: U10.5@12.154,62.554 R31.1 R35.1
NetR28_2: R28.2 R32.1 R36.1 U10.3 | length 10.2
  Bottom Layer w0.3: R36.1 R32.1 R28.2 7.328,65.094 8.344,64.078 8.344,61.538 8.09,61.284 U10.3
NetR29_2: R29.2 U5.9 | length 26.8
  Top Layer w0.3: v1(8.21,44.118) U5.9
  Bottom Layer w0.3: v1(8.21,44.118) 8.21,45.904 9.48,47.174 9.488,47.174 11.138,48.824 11.138,55.682 9.868,56.952 9.868,64.84 10.249,65.221 R29.2
NetR30_2: R30.2 U5.12 | length 15.3
  Top Layer w0.3: U5.12 8.21,53.77 9.106,54.666 v1(9.106,55.682)
  Bottom Layer w0.3: R30.2 8.344,65.348 9.106,64.586 v1(9.106,55.682)
NetR33_1: R33.1 U10.6 U10.7 | length 1.3
  Bottom Layer w0.3: U10.7 U10.6
NetR34_1: R34.1 U10.1 U10.2 | length 1.3
  Bottom Layer w0.3: U10.1 U10.2
RD: J1.15 U4.41 | length 28.5
  Top Layer w0.3: J1.15 v1@44.3,71.67
  Bottom Layer w0.3: U4.41 39.205,66.59 v1(44.285,71.67)
RESET: BTN5.3 BTN5.4 C9.2 R13.1 U4.14 | length 29.6
  Top Layer w0.3: BTN5.3 v1(92.638,44.74) BTN5.4
  Bottom Layer w0.3: U4.14 80.48,55.16 C9.2 R13.1 86.195,51.183 v1(92.638,44.74)
RIGHT: BTN4.3 BTN4.4 C8.2 R12.1 U2.5 | length 38
  Top Layer w0.4: C8.2 R12.1 41.275,15.494 41.91,14.859 49.276,14.859 50.635,13.5 62.464,13.5 66.924,9.04 U2.5
RST: J1.30 U4.68 U5.15 U7.1 | length 153.1
  Top Layer w0.3: U5.15 6.26,50.64 7.455,49.445 14.44,49.445 15.71,48.175 15.71,36.11 U4.68 19.52,34.84 27.14,34.84 31.585,39.285 31.585,55.795 v1(38.57,62.78) 39.8,64.01 J1.30 ; U7.1 v1(91.25,92.33)
  Bottom Layer w0.3: v1(38.57,62.78) 83.02,62.78
  Bottom Layer w0.4: 83.02,62.78 91.25,71.01 v1(91.25,92.33)
RXM: U4.2 U7.22 | length 16.5
  Top Layer w0.4: U4.2 80.48,67.86 87.465,67.86 91.25,71.645 U7.22
RXS: U4.1 U7.21 | length 11
  Top Layer w0.4: U4.1 86.83,69.13 89.25,71.55 U7.21
SCL: R5.1 U1.2 U2.14 U3.23 U4.61 | length 95.7
  Top Layer w0.3: U4.61 23.33,41.19 23.965,40.555 v1(27.14,40.555) ; U3.23@70.84,19.854 74.371,19.854 v1(75.383,18.842) 76.924,17.301 76.924,14.534 79.878,11.58 U2.14
  Bottom Layer w0.3: R5.1 27.14,36.124 26.124,37.14 26.124,39.539 v1(27.14,40.555) 36.665,40.555 40.488,36.732 71.603,36.732 72.225,36.11 72.225,22 v1(75.383,18.842)
SDA: R4.1 U1.1 U2.15 U3.24 U4.39 | length 106.6
  Top Layer w0.3: R4.1 U4.39 24.6,65.32 v1(24.6,55.795) ; U3.24 v1(75.403,20.342) 77.686,18.059 77.686,15.042 79.878,12.85 U2.15
  Bottom Layer w0.3: v1(24.6,55.795) 42.647,37.748 72.098,37.748 73.495,36.351 U1.1 73.495,22.25 v1(75.403,20.342)
SHR_STR: U4.72 U6.1 | length 25.3
  Top Layer w0.3: v1(6.82,11.345) 9.36,11.345 15.075,17.06 15.075,25.315 U4.72
  Bottom Layer w0.3: v1(6.82,11.345) U6.1
SPI_CS1: U4.59 U5.4 | length 24.5
  Top Layer w0.3: U5.4 4.96,48.22 5.55,48.81 13.805,48.81 14.44,48.175 v1(14.44,42.46)
  Bottom Layer w0.3: v1(14.44,42.46) 19.52,42.46 U4.59
SPI_MISO: R17.2 U4.66 | length 16
  Top Layer w0.3: R17.2 16.345,38.015 U4.66
SPI_MOSI: U4.64 U5.6 U6.2 | length 49.4
  Top Layer w0.3: U5.6 6.26,40.48 8.09,38.65 v1(12.535,38.65) 12.535,20.235 8.09,15.79 8.09,14.52 v1(9.36,13.25)
  Bottom Layer w0.3: U6.2 8.09,14.52 v1(9.36,13.25) ; v1(12.535,38.65) U4.64
SPI_SCK: U4.57 U5.5 U6.3 | length 54.8
  Top Layer w0.3: U5.5 5.61,47.6 6.185,48.175 12.535,48.175 v1(13.17,47.54) 13.17,39.934 13.805,39.299 13.805,19.6 v1(9.36,15.155)
  Bottom Layer w0.3: U6.3 8.725,15.79 v1(9.36,15.155) ; v1(13.17,47.54) 19.52,47.54 U4.57
UP: BTN2.3 BTN2.4 C6.2 R10.1 U2.4 | length 42.8
  Top Layer w0.4: R10.1 C6.2 39.751,20.447 40.259,20.955 43.053,20.955 43.508,20.5 BTN2.4 55.464,20.5 60.597,15.367 62.611,15.367 67.668,10.31 U2.4
WR: J1.14 U4.63 | length 46.9
  Top Layer w0.3: U4.63 v1(27.14,38.65) ; v1(35.395,38.65) 46.19,49.445 46.19,62.78 44.6,64.37 J1.14
  Bottom Layer w0.3: v1(27.14,38.65) v1(35.395,38.65)
pads on no net: J1.2 J1.11 J1.12 J1.25 J1.26 J1.29 Q2. U2.10 U3.2 U3.3 U3.4 U3.5 U3.6 U3.7 U3.14 U3.15 U3.16 U3.17 U3.19 U3.21 U3.22 U4.0 U4.3 U4.4 U4.5 U4.7 U4.9 U4.10 U4.11 U4.12 U4.13 U4.15 U4.16 U4.18 U4.23 U4.24 U4.25 U4.26 U4.28 U4.29 U4.31 U4.33 U4.36 U4.40 U4.42 U4.45 U4.46 U4.48 U4.49 U4.50 U4.52 U4.56 U4.71 U4.73 U4.74 U4.75 U4.76 U6.9 U6.10 U7.2 U7.4 U7.5 U7.6 U7.7 U7.9 U7.10 U7.11 U7.12 U7.13 U7.14 U7.17 U7.19 U7.20

## Polygon pours and split planes (outlines as drawn)
GND on Bottom Layer "BOTTOM_GND" (solid, remove dead copper, shelved, pour order 4): -987.26,-917.222 -897.09,-917.222 -897.09,-995.722 -987.26,-995.722
GND on Top Layer "TOP_GND" (solid, remove dead copper, shelved, pour order 0): -987.26,-917.222 -897.09,-917.222 -897.09,-995.722 -987.26,-995.722

## Keep-outs
Keep-Out Layer:
  the board outline again, w2

## Silkscreen, mask and mechanical layers (free items; w line width, h text height)
Top Overlay:
  lines w0.15: 27,100 27,23 73,23 73,100
Top Solder:
  the board outline again, w0.254
Mechanical 1:
  circle w0.254: c50,11.25 r7
  lines w0.15: 39.5,23 39.5,100 ; 39.5,67 59.5,67 ; 40.5,57 60.5,57 ; 43,11.25 57,11.25 ; 50,0 50,100 ; 60.5,23 60.5,100 ; 85,23 85,35.7

## Text inside footprints (layer, text, board x,y; h text height)
U4: Bottom Overlay "CN7" at 85.42,69.736 h0.7; Bottom Overlay "CN10" at 19.52,70.922 h0.7